# KiCad board Rogelio Pineda 2;12 AM-AMLDC-2044B.kicad_pcb
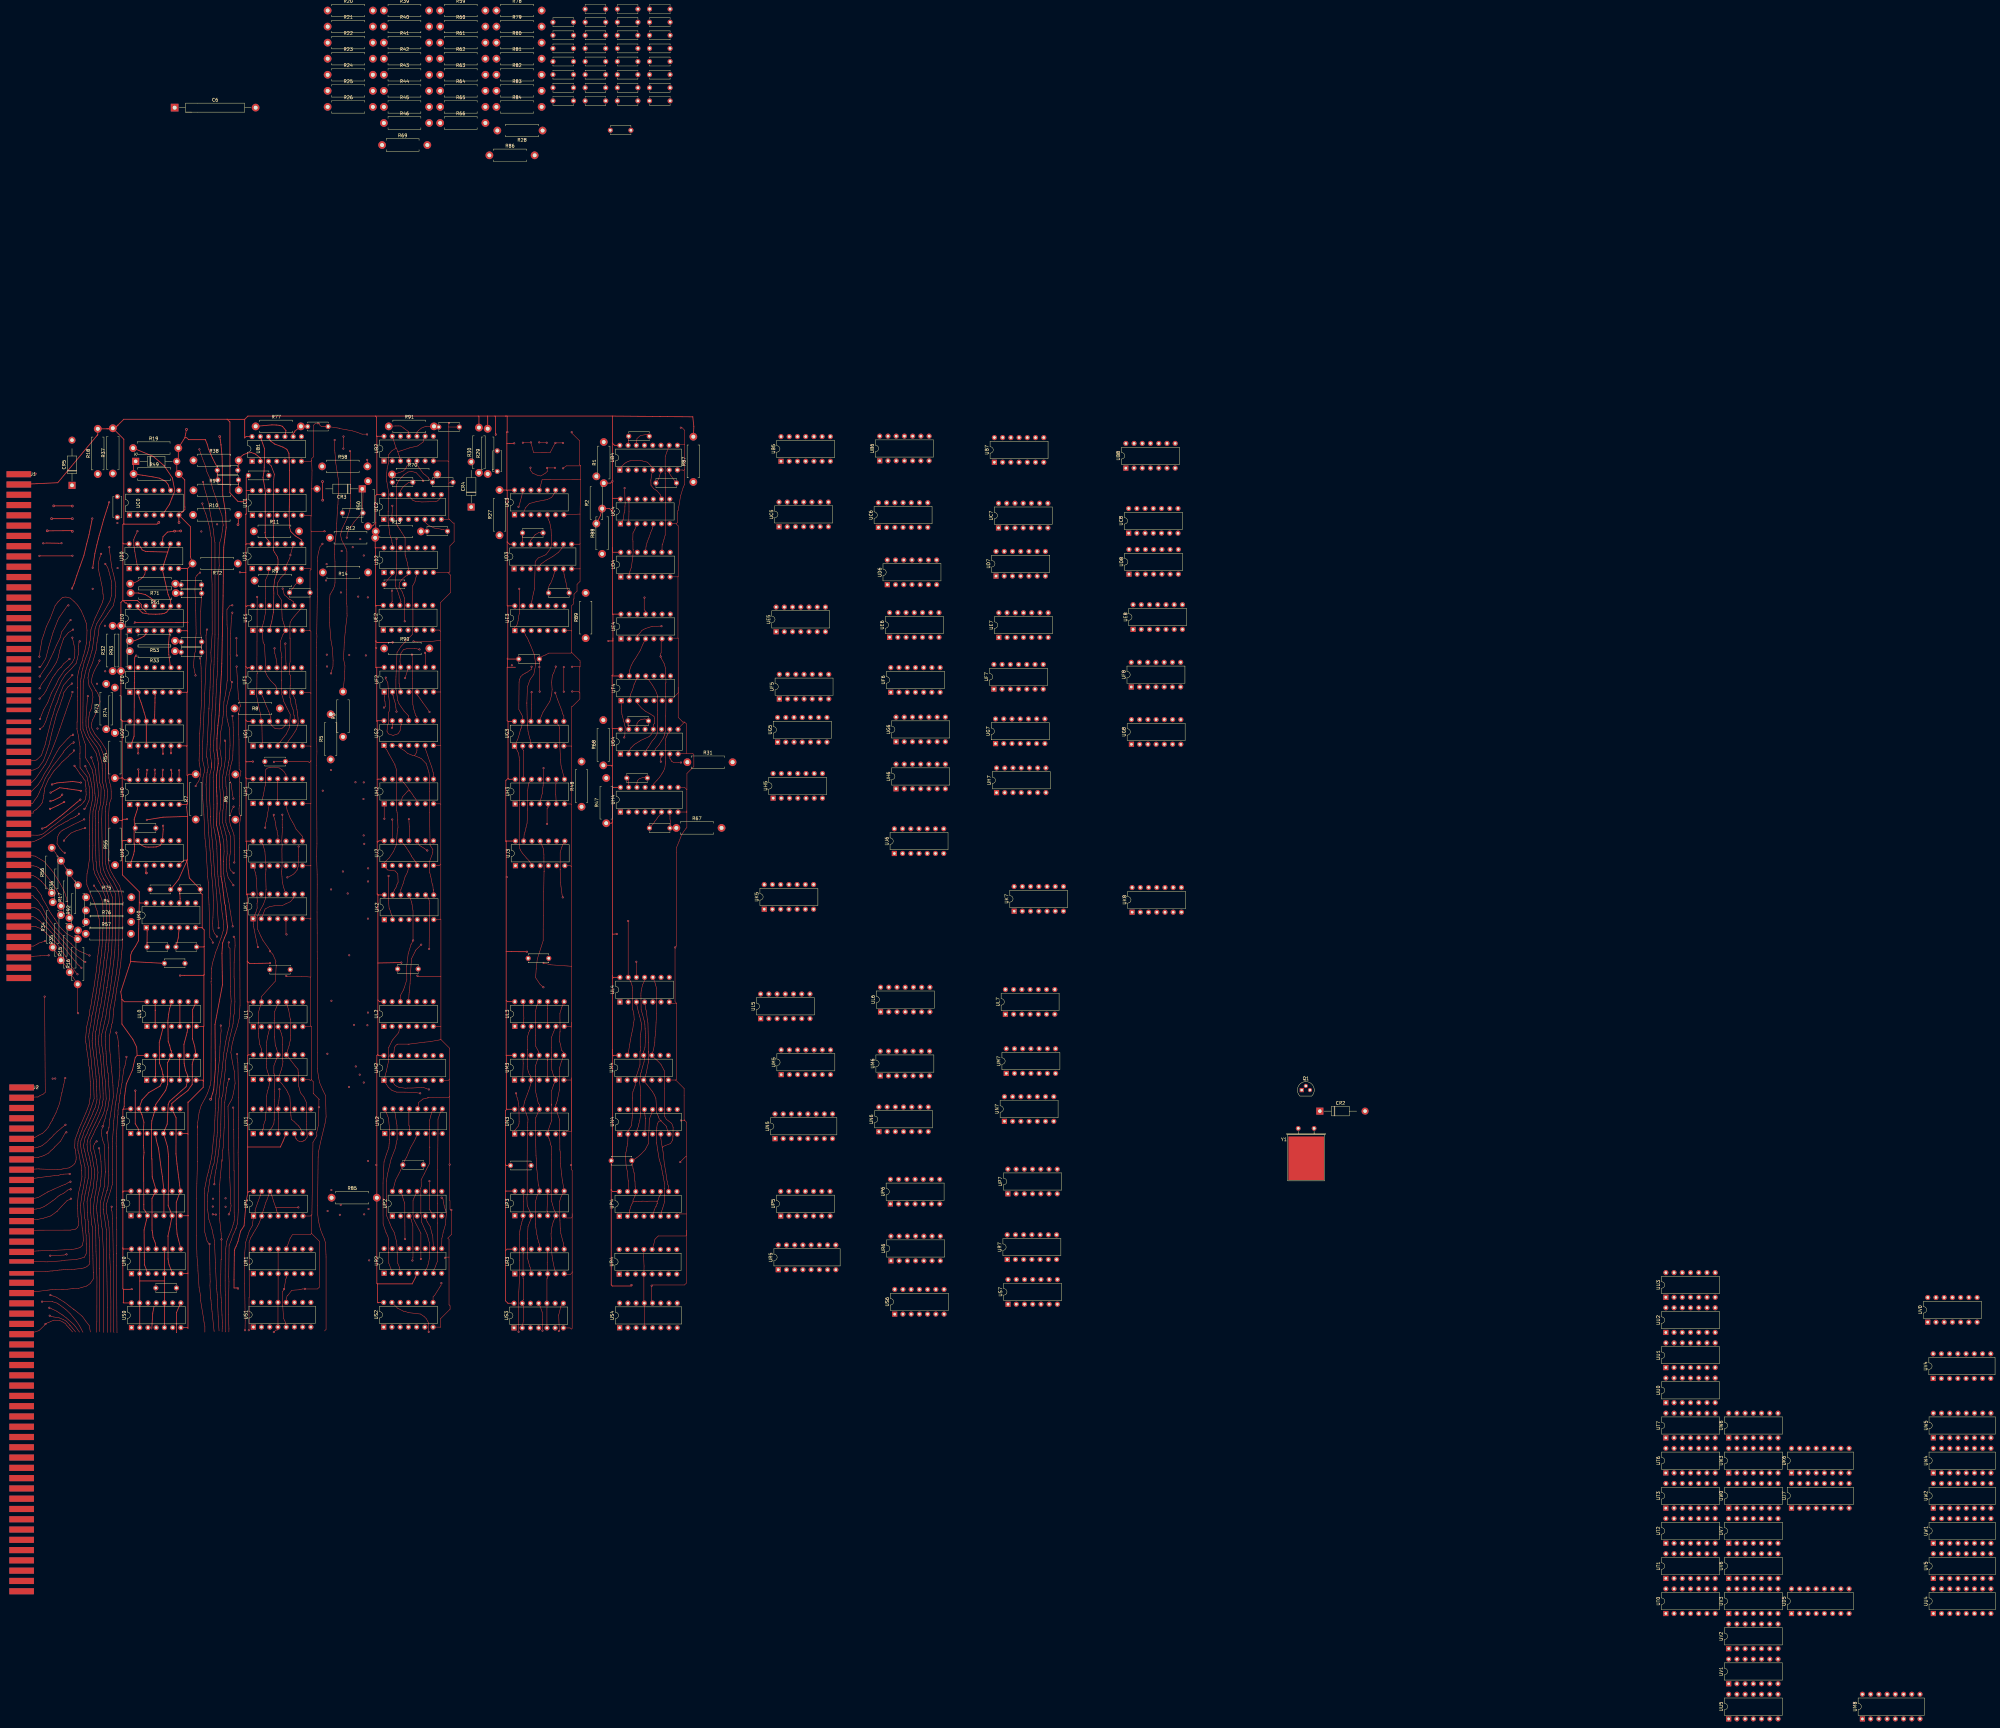
[diagram p0: board, top side]
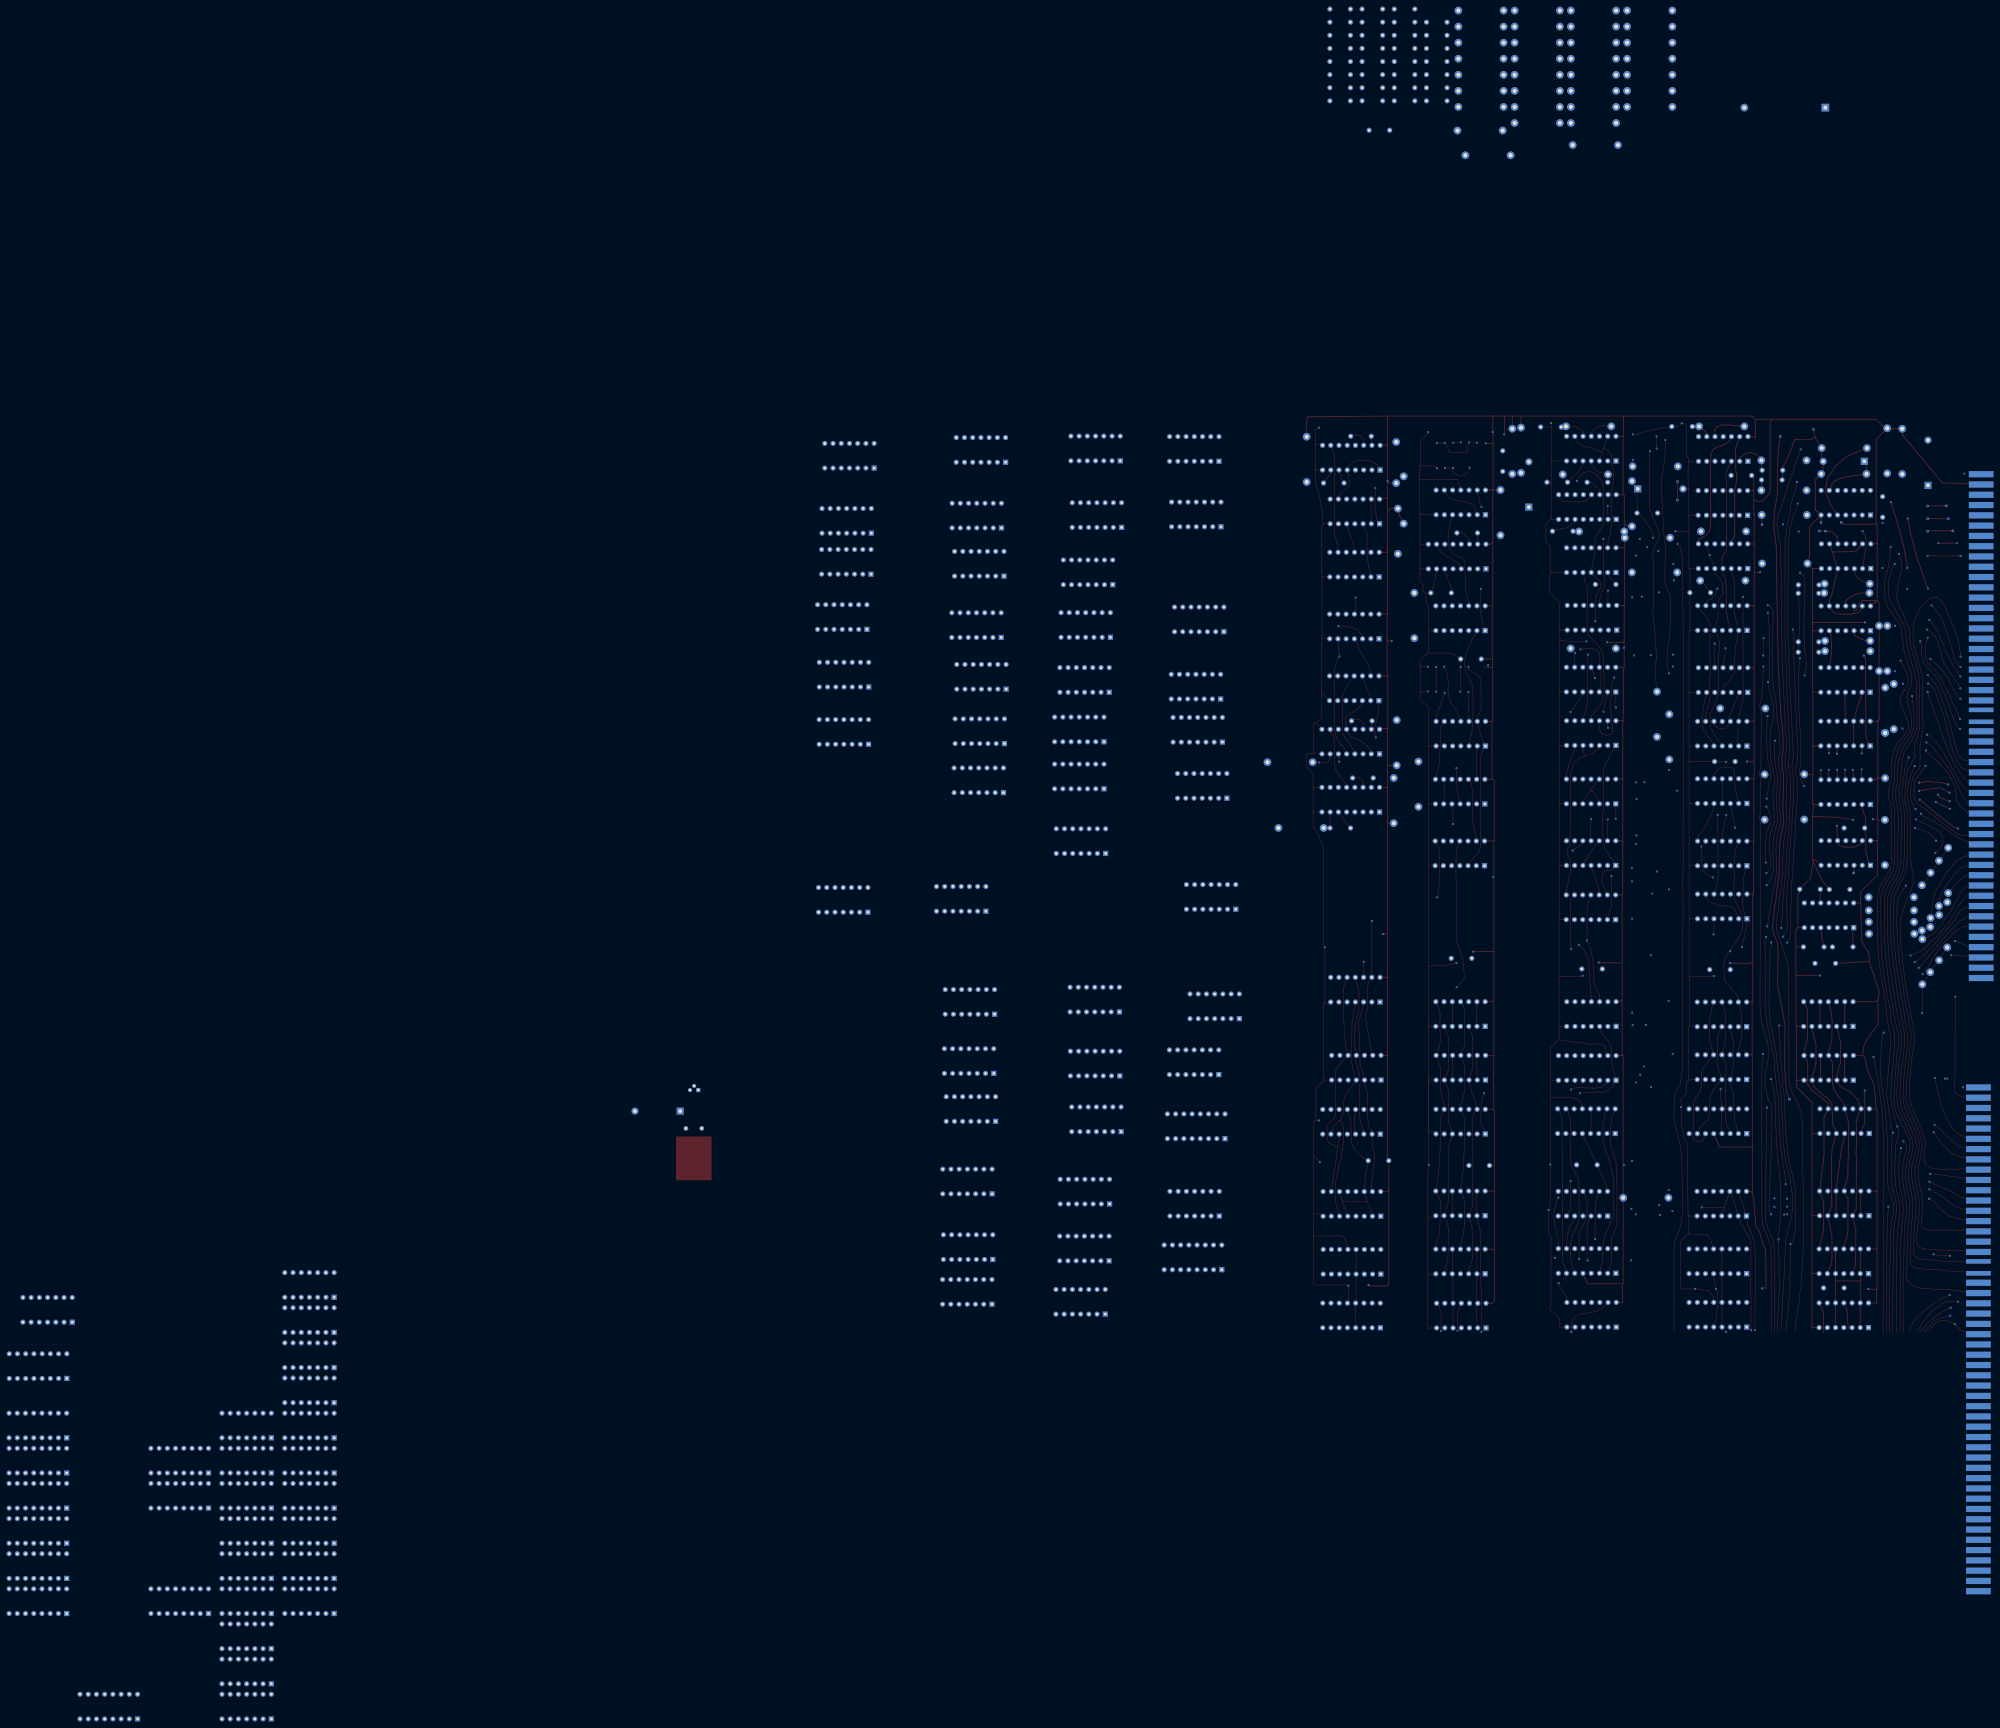
[diagram p1: board, bottom side, seen from below]

No outline. copper layers: Top, Bottom. Coordinates in mm from the lowest, leftmost part position.

## Placement (name value [footprint] x y rotation side)
C1  CAP_Disc_Common_-_Entrex_Trapezoid  [Disc Capacitor Common Entrex Trapezoid]  105.97 373.63 90 top
C2  CAP_Disc_Common_-_Entrex_Trapezoid  [Disc Capacitor Common Entrex Trapezoid]  243.23 524.17 0 top
C3  CAP_Disc_Common_-_Entrex_Trapezoid  [Disc Capacitor Common Entrex Trapezoid]  243.23 520.12 0 top
C4  CAP_Disc_Common_-_Entrex_Trapezoid  [Disc Capacitor Common Entrex Trapezoid]  243.23 516.07 0 top
C5  CAP_Disc_Common_-_Entrex_Trapezoid  [Disc Capacitor Common Entrex Trapezoid]  243.23 512.02 0 top
C6  CAP  [CAP non-polarized P25.00mm]  123.88 497.57 0 top
C7  CAP_Disc_Common_-_Entrex_Trapezoid  [Disc Capacitor Common Entrex Trapezoid]  243.23 507.97 0 top
C8  CAP_Disc_Common_-_Entrex_Trapezoid  [Disc Capacitor Common Entrex Trapezoid]  243.23 503.92 0 top
C9  CAP_Disc_Common_-_Entrex_Trapezoid  [Disc Capacitor Common Entrex Trapezoid]  243.23 499.87 0 top
C10  CAP_Disc_Common_-_Entrex_Trapezoid  [Disc Capacitor Common Entrex Trapezoid]  120.61 133.3 0 top
C11  CAP_Disc_Common_-_Entrex_Trapezoid  [Disc Capacitor Common Entrex Trapezoid]  273.01 275.32 0 top
C12  CAP_Disc_Common_-_Entrex_Trapezoid  [Disc Capacitor Common Entrex Trapezoid]  266.37 308.41 0 top
C13  CAP_Disc_Common_-_Entrex_Trapezoid  [Disc Capacitor Common Entrex Trapezoid]  206.02 382.11 0 top
C14  CAP_Disc_Common_-_Entrex_Trapezoid  [Disc Capacitor Common Entrex Trapezoid]  223.27 387.78 90 top
C15  CAP_Disc_Common_-_Entrex_Trapezoid  [Disc Capacitor Common Entrex Trapezoid]  204.32 366.98 0 top
C16  CAP_Disc_Common_-_Entrex_Trapezoid  [Disc Capacitor Common Entrex Trapezoid]  167.47 399.31 0 top
C17  CAP_Disc_Common_-_Entrex_Trapezoid  [Disc Capacitor Common Entrex Trapezoid]  253.17 528.22 0 top
C18  CAP_Disc_Common_-_Entrex_Trapezoid  [Disc Capacitor Common Entrex Trapezoid]  253.17 524.17 0 top
C19  CAP_Disc_Common_-_Entrex_Trapezoid  [Disc Capacitor Common Entrex Trapezoid]  253.17 520.12 0 top
C20  CAP_Disc_Common_-_Entrex_Trapezoid  [Disc Capacitor Common Entrex Trapezoid]  253.17 516.07 0 top
C21  CAP_Disc_Common_-_Entrex_Trapezoid  [Disc Capacitor Common Entrex Trapezoid]  253.17 512.02 0 top
C22  CAP_Disc_Common_-_Entrex_Trapezoid  [Disc Capacitor Common Entrex Trapezoid]  253.17 507.97 0 top
C23  CAP_Disc_Common_-_Entrex_Trapezoid  [Disc Capacitor Common Entrex Trapezoid]  253.17 503.92 0 top
C24  CAP_Disc_Common_-_Entrex_Trapezoid  [Disc Capacitor Common Entrex Trapezoid]  253.17 499.87 0 top
C25  CAP_Disc_Common_-_Entrex_Trapezoid  [Disc Capacitor Common Entrex Trapezoid]  233.82 366.46 0 top
C26  CAP_Disc_Common_-_Entrex_Trapezoid  [Disc Capacitor Common Entrex Trapezoid]  232.67 327.51 0 top
C27  CAP_Disc_Common_-_Entrex_Trapezoid  [Disc Capacitor Common Entrex Trapezoid]  241.9 347.93 0 top
C28  CAP_Disc_Common_-_Entrex_Trapezoid  [Disc Capacitor Common Entrex Trapezoid]  178.22 372.61 0 top
C29  CAP_Disc_Common_-_Entrex_Trapezoid  [Disc Capacitor Common Entrex Trapezoid]  193.62 382.11 0 top
C30  CAP_Disc_Common_-_Entrex_Trapezoid  [Disc Capacitor Common Entrex Trapezoid]  207.97 399.16 0 top
C31  CAP_Disc_Common_-_Entrex_Trapezoid  [Disc Capacitor Common Entrex Trapezoid]  139.77 382.81 0 top
C32  CAP_Disc_Common_-_Entrex_Trapezoid  [Disc Capacitor Common Entrex Trapezoid]  263.11 528.22 0 top
C33  CAP_Disc_Common_-_Entrex_Trapezoid  [Disc Capacitor Common Entrex Trapezoid]  263.11 524.17 0 top
C34  CAP_Disc_Common_-_Entrex_Trapezoid  [Disc Capacitor Common Entrex Trapezoid]  263.11 520.12 0 top
C35  CAP_Disc_Common_-_Entrex_Trapezoid  [Disc Capacitor Common Entrex Trapezoid]  263.11 516.07 0 top
C36  CAP_Disc_Common_-_Entrex_Trapezoid  [Disc Capacitor Common Entrex Trapezoid]  263.11 512.02 0 top
C37  CAP_Disc_Common_-_Entrex_Trapezoid  [Disc Capacitor Common Entrex Trapezoid]  263.11 507.97 0 top
C38  CAP_Disc_Common_-_Entrex_Trapezoid  [Disc Capacitor Common Entrex Trapezoid]  263.11 503.92 0 top
C39  CAP_Disc_Common_-_Entrex_Trapezoid  [Disc Capacitor Common Entrex Trapezoid]  263.11 499.87 0 top
C40  CAP_Disc_Common_-_Entrex_Trapezoid  [Disc Capacitor Common Entrex Trapezoid]  260.95 490.8 0 top
C41  CAP_Disc_Common_-_Entrex_Trapezoid  [Disc Capacitor Common Entrex Trapezoid]  266.62 396.31 0 top
C42  CAP_Disc_Common_-_Entrex_Trapezoid  [Disc Capacitor Common Entrex Trapezoid]  275.02 381.86 0 top
C43  CAP_Disc_Common_-_Entrex_Trapezoid  [Disc Capacitor Common Entrex Trapezoid]  161.87 348.01 0 top
C44  CAP_Disc_Common_-_Entrex_Trapezoid  [Disc Capacitor Common Entrex Trapezoid]  191.07 350.56 0 top
C45  CAP_Disc_Common_-_Entrex_Trapezoid  [Disc Capacitor Common Entrex Trapezoid]  139.57 385.81 0 top
C46  CAP_Disc_Common_-_Entrex_Trapezoid  [Disc Capacitor Common Entrex Trapezoid]  149.17 384.21 0 top
C47  CAP_Disc_Common_-_Entrex_Trapezoid  [Disc Capacitor Common Entrex Trapezoid]  273.05 528.22 0 top
C48  CAP_Disc_Common_-_Entrex_Trapezoid  [Disc Capacitor Common Entrex Trapezoid]  273.05 524.17 0 top
C49  CAP_Disc_Common_-_Entrex_Trapezoid  [Disc Capacitor Common Entrex Trapezoid]  273.05 520.12 0 top
C50  CAP_Disc_Common_-_Entrex_Trapezoid  [Disc Capacitor Common Entrex Trapezoid]  273.05 516.07 0 top
C51  CAP_Disc_Common_-_Entrex_Trapezoid  [Disc Capacitor Common Entrex Trapezoid]  273.05 512.02 0 top
C52  CAP_Disc_Common_-_Entrex_Trapezoid  [Disc Capacitor Common Entrex Trapezoid]  273.05 507.97 0 top
C53  CAP_Disc_Common_-_Entrex_Trapezoid  [Disc Capacitor Common Entrex Trapezoid]  273.05 503.92 0 top
C54  CAP_Disc_Common_-_Entrex_Trapezoid  [Disc Capacitor Common Entrex Trapezoid]  273.05 499.87 0 top
C55  CAP_Disc_Common_-_Entrex_Trapezoid  [Disc Capacitor Common Entrex Trapezoid]  261.22 172.61 0 top
C56  CAP_Disc_Common_-_Entrex_Trapezoid  [Disc Capacitor Common Entrex Trapezoid]  266.03 290.78 0 top
C57  CAP_Disc_Common_-_Entrex_Trapezoid  [Disc Capacitor Common Entrex Trapezoid]  117.87 238.61 0 top
C58  CAP_Disc_Common_-_Entrex_Trapezoid  [Disc Capacitor Common Entrex Trapezoid]  128.37 350.41 0 top
C59  CAP_Disc_Common_-_Entrex_Trapezoid  [Disc Capacitor Common Entrex Trapezoid]  128.42 347.81 0 top
C60  CAP_Disc_Common_-_Entrex_Trapezoid  [Disc Capacitor Common Entrex Trapezoid]  128.42 332.81 0 top
C61  CAP_Disc_Common_-_Entrex_Trapezoid  [Disc Capacitor Common Entrex Trapezoid]  128.42 329.63 0 top
C62  CAP_Disc_Common_-_Entrex_Trapezoid  [Disc Capacitor Common Entrex Trapezoid]  154.27 295.86 0 top
C63  CAP_Disc_Common_-_Entrex_Trapezoid  [Disc Capacitor Common Entrex Trapezoid]  114.26 275.32 0 top
C64  CAP_Disc_Common_-_Entrex_Trapezoid  [Disc Capacitor Common Entrex Trapezoid#2]  126.82 238.61 0 top
C65  CAP_Disc_Common_-_Entrex_Trapezoid  [Disc Capacitor Common Entrex Trapezoid]  123.25 233.53 0 top
C66  CAP_Disc_Common_-_Entrex_Trapezoid  [Disc Capacitor Common Entrex Trapezoid]  155.77 231.61 0 top
C67  CAP_Disc_Common_-_Entrex_Trapezoid  [Disc Capacitor Common Entrex Trapezoid]  195.27 231.81 0 top
C68  CAP_Disc_Common_-_Entrex_Trapezoid  [Disc Capacitor Common Entrex Trapezoid]  235.58 235.09 0 top
C69  CAP_Disc_Common_-_Entrex_Trapezoid  [Disc Capacitor Common Entrex Trapezoid]  196.87 171.31 0 top
C70  CAP_Disc_Common_-_Entrex_Trapezoid  [Disc Capacitor Common Entrex Trapezoid]  230.12 171.11 0 top
C71  CAP_Disc_Common_-_Entrex_Trapezoid  [Disc Capacitor Common Entrex Trapezoid]  118.82 256.36 0 top
C72  CAP_Disc_Common_-_Entrex_Trapezoid  [Disc Capacitor Common Entrex Trapezoid]  127.97 256.41 0 top
CR1  1N4001  [D_DO-41_SOD81_P12.70mm_Horizontal]  111.83 388.34 0 top
CR2  1N4001  [Diode for Entrex-AMLDC Board]  477.48 187.69 0 top
CR3  1N4001  [Diode for Entrex-AMLDC Board]  181.8 379.84 180 top
CR4  1N4001  [Diode for Entrex-AMLDC Board]  215.43 374.22 90 top
CR5  1N4001  [Diode for Entrex-AMLDC Board]  92.18 380.92 90 top
J1  Port A  [portA_NovaMod]  0 308.61 0 top
J2  Port B  [portB_NovaMod]  3.28 119.76 0 top
Q1  PNP MPS6533  [TO-92]  471.89 194.2 0 top
R1  ~  [R_Axial_DIN0411_L9.9mm_D3.6mm_P12.70mm_Horizontal]  256.37 381.62 90 top
R2  ~  [Resistor for Entrex-AMLDC Board#2]  254.09 369.11 90 top
R3  R_US  [Resistor for Entrex-AMLDC Board]  175.86 303.26 90 top
R4  ~  [Resistor for Entrex-AMLDC Board]  96.48 249.67 0 top
R5  R_US  [Resistor for Entrex-AMLDC Board]  172.05 296.28 90 top
R6  R_US  [Resistor for Entrex-AMLDC Board]  142.63 277.69 90 top
R7  R_US  [Resistor for Entrex-AMLDC Board]  130.38 277.74 90 top
R8  R_US  [Resistor for Entrex-AMLDC Board]  142.38 312.04 0 top
R9  R_US  [Resistor for Entrex-AMLDC Board]  148.55 351.52 0 top
R10  R_US  [Resistor for Entrex-AMLDC Board]  129.56 371.79 0 top
R11  R_US  [Resistor for Entrex-AMLDC Board]  148.33 366.74 0 top
R12  R_US  [Resistor for Entrex-AMLDC Board]  171.83 364.74 0 top
R13  R_US  [Resistor for Entrex-AMLDC Board]  185.96 366.69 0 top
R14  R_US  [Resistor for Entrex-AMLDC Board]  169.63 354.04 0 top
R15  R_US  [Resistor for Entrex-AMLDC Board]  91.48 230.59 90 top
R16  R_US  [Resistor for Entrex-AMLDC Board]  93.93 226.84 90 top
R17  R_US  [Resistor for Entrex-AMLDC Board]  91.38 247.34 90 top
R18  R_US  [Resistor for Entrex-AMLDC Board]  100.13 384.42 90 top
R19  R_US  [Resistor for Entrex-AMLDC Board]  111.03 392.44 0 top
R20  R_US  [Resistor for Entrex-AMLDC Board]  171.11 527.55 0 top
R21  R_US  [Resistor for Entrex-AMLDC Board]  171.11 522.59 0 top
R22  R_US  [Resistor for Entrex-AMLDC Board]  171.11 517.63 0 top
R23  R_US  [Resistor for Entrex-AMLDC Board]  171.11 512.67 0 top
R24  R_US  [Resistor for Entrex-AMLDC Board]  171.11 507.71 0 top
R25  R_US  [Resistor for Entrex-AMLDC Board]  171.11 502.75 0 top
R26  R_US  [Resistor for Entrex-AMLDC Board]  171.11 497.79 0 top
R27  R_US  [Resistor for Entrex-AMLDC Board]  224.18 365.52 90 top
R28  R_US  [Resistor for Entrex-AMLDC Board]  237.48 490.49 180 top
R29  R_US  [Resistor for Entrex-AMLDC Board]  220.53 384.44 90 top
R30  R_US  [Resistor for Entrex-AMLDC Board]  217.83 384.79 90 top
R31  R_US  [Resistor for Entrex-AMLDC Board]  282.18 295.44 0 top
R32  R_US  [Resistor for Entrex-AMLDC Board]  104.74 323.58 90 top
R33  R_US  [Resistor for Entrex-AMLDC Board]  123.98 329.74 180 top
R34  R_US  [Resistor for Entrex-AMLDC Board]  86.23 238.24 90 top
R35  R_US  [Resistor for Entrex-AMLDC Board]  88.73 234.27 90 top
R36  R_US  [Resistor for Entrex-AMLDC Board]  88.78 251.04 90 top
R37  R_US  [Resistor for Entrex-AMLDC Board]  104.78 384.59 90 top
R38  R_US  [Resistor for Entrex-AMLDC Board]  129.68 388.64 0 top
R39  R_US  [Resistor for Entrex-AMLDC Board]  188.48 527.55 0 top
R40  R_US  [Resistor for Entrex-AMLDC Board]  188.48 522.59 0 top
R41  R_US  [Resistor for Entrex-AMLDC Board]  188.48 517.63 0 top
R42  R_US  [Resistor for Entrex-AMLDC Board]  188.48 512.67 0 top
R43  R_US  [Resistor for Entrex-AMLDC Board]  188.48 507.71 0 top
R44  R_US  [Resistor for Entrex-AMLDC Board]  188.48 502.75 0 top
R45  R_US  [Resistor for Entrex-AMLDC Board]  188.48 497.79 0 top
R46  R_US  [Resistor for Entrex-AMLDC Board]  188.48 492.83 0 top
R47  R_US  [Resistor for Entrex-AMLDC Board]  257.14 276.59 90 top
R48  R_US  [Resistor for Entrex-AMLDC Board]  249.52 281.67 90 top
R49  R_US  [Resistor for Entrex-AMLDC Board]  111.18 384.44 0 top
R50  R_US  [Resistor for Entrex-AMLDC Board]  183.58 368.27 90 top
R51  R_US  [Resistor for Entrex-AMLDC Board]  124.23 347.69 180 top
R53  R_US  [Resistor for Entrex-AMLDC Board]  123.98 332.92 180 top
R54  R_US  [Resistor for Entrex-AMLDC Board]  105.41 290.52 90 top
R55  R_US  [Resistor for Entrex-AMLDC Board]  105.48 263.67 90 top
R56  R_US  [Resistor for Entrex-AMLDC Board]  85.93 255.04 90 top
R57  R_US  [Resistor for Entrex-AMLDC Board]  96.41 242.44 0 top
R58  R_US  [Resistor for Entrex-AMLDC Board]  169.41 386.79 0 top
R59  R_US  [Resistor for Entrex-AMLDC Board]  205.85 527.55 0 top
R60  R_US  [Resistor for Entrex-AMLDC Board]  205.85 522.59 0 top
R61  R_US  [Resistor for Entrex-AMLDC Board]  205.85 517.63 0 top
R62  R_US  [Resistor for Entrex-AMLDC Board]  205.85 512.67 0 top
R63  R_US  [Resistor for Entrex-AMLDC Board]  205.85 507.71 0 top
R64  R_US  [Resistor for Entrex-AMLDC Board]  205.85 502.75 0 top
R65  R_US  [Resistor for Entrex-AMLDC Board]  205.85 497.79 0 top
R66  R_US  [Resistor for Entrex-AMLDC Board]  205.85 492.83 0 top
R67  R_US  [Resistor for Entrex-AMLDC Board]  278.78 275.14 0 top
R68  R_US  [Resistor for Entrex-AMLDC Board]  256.23 294.47 90 top
R69  R_US  [Resistor for Entrex-AMLDC Board]  187.92 486.02 0 top
R70  R_US  [Resistor for Entrex-AMLDC Board]  191 384.29 0 top
R71  R_US  [Resistor for Entrex-AMLDC Board]  124.1 350.54 180 top
R72  R_US  [Resistor for Entrex-AMLDC Board]  143.38 356.79 180 top
R73  R_US  [Resistor for Entrex-AMLDC Board]  102.73 305.64 90 top
R74  R_US  [Resistor for Entrex-AMLDC Board]  105.41 304.49 90 top
R75  R_US  [Resistor for Entrex-AMLDC Board]  96.53 253.73 0 top
R76  R_US  [Resistor for Entrex-AMLDC Board]  96.48 246.11 0 top
R77  R_US  [Resistor for Entrex-AMLDC Board]  148.88 399.14 0 top
R78  R_US  [Resistor for Entrex-AMLDC Board]  223.22 527.55 0 top
R79  R_US  [Resistor for Entrex-AMLDC Board]  223.22 522.59 0 top
R80  R_US  [Resistor for Entrex-AMLDC Board]  223.22 517.63 0 top
R81  R_US  [Resistor for Entrex-AMLDC Board]  223.22 512.67 0 top
R82  R_US  [Resistor for Entrex-AMLDC Board]  223.22 507.71 0 top
R83  R_US  [Resistor for Entrex-AMLDC Board]  223.22 502.75 0 top
R84  R_US  [Resistor for Entrex-AMLDC Board]  223.22 497.79 0 top
R85  R_US  [Resistor for Entrex-AMLDC Board]  172.33 160.94 0 top
R86  R_US  [Resistor for Entrex-AMLDC Board]  221.06 482.85 0 top
R87  R_US  [Resistor for Entrex-AMLDC Board]  284.03 381.97 90 top
R88  R_US  [Resistor for Entrex-AMLDC Board]  255.87 359.78 90 top
R89  R_US  [Resistor for Entrex-AMLDC Board]  250.79 333.74 90 top
R90  R_US  [Resistor for Entrex-AMLDC Board]  188.56 330.57 0 top
R91  R_US  [Resistor for Entrex-AMLDC Board]  189.98 399.14 0 top
R92  R_US  [Resistor for Entrex-AMLDC Board]  94.03 243.47 90 top
R93  R_US  [Resistor for Entrex-AMLDC Board]  107.28 323.58 90 top
R94  R_US  [Resistor for Entrex-AMLDC Board]  129.68 379.39 0 top
UB1  74LS37  [DIP-14_W7.62mm]  147.78 388.36 90 top
UB2  74LS10  [DIP-14_W7.62mm]  188.53 388.46 90 top
UB4  74LS123  [DIP-16_W7.62mm]  261.34 385.67 90 top
UB5  74LS02  [DIP-14_W7.62mm]  311.11 388.36 90 top
UB6  74LS38  [DIP-14_W7.62mm]  341.59 388.51 90 top
UB7  74LS32  [DIP-14_W7.62mm]  376.99 388.06 90 top
UB8  74LS93  [DIP-14_W7.62mm]  417.58 386.26 90 top
UC0  74LS04  [DIP-14_W7.62mm]  109.94 371.75 90 top
UC1  74LS00  [DIP-14_W7.62mm]  147.89 371.69 90 top
UC2  74LS123  [DIP-16_W7.62mm]  188.44 370.43 90 top
UC3  74LS74  [DIP-14_W7.62mm]  228.82 371.84 90 top
UC4  74LS00  [DIP-14_W7.62mm]  261.53 369.06 90 top
UC5  74LS02  [DIP-14_W7.62mm]  310.5 368.14 90 top
UC6  74LS74  [DIP-14_W7.62mm]  341.18 367.94 90 top
UC7  74LS74  [DIP-14_W7.62mm]  378.27 367.78 90 top
UC8  74LS00  [DIP-14_W7.62mm]  418.45 366.16 90 top
UD0  74LS10  [DIP-14_W7.62mm#4]  109.84 355.23 90 top
UD1  74LS10  [DIP-14_W7.62mm]  147.84 355.24 90 top
UD2  74LS10  [DIP-14_W7.62mm]  188.53 354.02 90 top
UD3  74LS123  [DIP-16_W7.62mm]  228.68 355.14 90 top
UD4  74LS74  [DIP-14_W7.62mm]  261.63 352.64 90 top
UD5  74LS123  [DIP-16_W7.62mm]  623.13 32.55 90 top
UD6  74LS10  [DIP-14_W7.62mm]  343.92 350.26 90 top
UD7  74LS74  [DIP-14_W7.62mm]  377.5 352.9 90 top
UD8  74LS74  [DIP-14_W7.62mm]  418.55 353.5 90 top
UE0  74LS10  [DIP-14_W7.62mm]  109.94 336.04 90 top
UE1  74LS74  [DIP-14_W7.62mm]  148.04 336.14 90 top
UE2  74LS74  [DIP-14_W7.62mm]  188.32 336.24 90 top
UE3  74LS74  [DIP-14_W7.62mm]  228.91 336.09 90 top
UE4  74LS02  [DIP-14_W7.62mm]  261.68 333.54 90 top
UE5  74LS08  [DIP-14_W7.62mm]  309.59 335.72 90 top
UE6  74LS00  [DIP-14_W7.62mm]  344.64 334 90 top
UE7  7425  [DIP-14_W7.62mm]  378.37 333.96 90 top
UE8  74LS08  [DIP-14_W7.62mm]  419.82 336.45 90 top
UF0  74LS04  [DIP-14_W7.62mm]  110.04 317.04 90 top
UF1  74LS14  [DIP-14_W7.62mm]  147.84 316.99 90 top
UF2  74LS06  [DIP-14_W7.62mm]  188.58 317.13 90 top
UF4  74LS74  [DIP-14_W7.62mm]  261.73 314.45 90 top
UF5  74LS74  [DIP-14_W7.62mm]  310.6 314.96 90 top
UF6  74LS00  [DIP-14_W7.62mm]  345 317.03 90 top
UF7  74LS74  [DIP-14_W7.62mm]  376.84 318.01 90 top
UF8  74LS20  [DIP-14_W7.62mm]  419.27 318.66 90 top
UG0  74LS30  [DIP-14_W7.62mm]  110.04 300.48 90 top
UG1  74LS38  [DIP-14_W7.62mm]  148.09 300.43 90 top
UG2  74LS02  [DIP-14_W7.62mm]  188.53 300.62 90 top
UG3  74LS86  [DIP-14_W7.62mm]  228.81 300.43 90 top
UG4  74LS123  [DIP-16_W7.62mm]  261.53 297.98 90 top
UG5  74LS74  [DIP-14_W7.62mm]  310.05 301.64 90 top
UG6  74LS32  [DIP-14_W7.62mm]  346.62 301.75 90 top
UG7  74LS00  [DIP-14_W7.62mm]  377.35 301.19 90 top
UG8  74LS02  [DIP-14_W7.62mm]  419.32 300.98 90 top
UH0  74LS04  [DIP-14_W7.62mm]  109.99 282.38 90 top
UH1  74LS00  [DIP-14_W7.62mm]  148.09 282.7 90 top
UH2  74LS00  [DIP-14_W7.62mm]  188.58 282.59 90 top
UH3  74LS00  [DIP-14_W7.62mm]  229.01 282.55 90 top
UH4  74LS123  [DIP-16_W7.62mm]  261.53 280.05 90 top
UH5  74LS74  [DIP-14_W7.62mm]  308.67 284.32 90 top
UH6  74LS00  [DIP-14_W7.62mm]  346.62 287.22 90 top
UH7  74LS74  [DIP-14_W7.62mm]  377.66 286.04 90 top
UJ0  74LS38  [DIP-14_W7.62mm]  109.94 263.6 90 top
UJ1  74LS74  [DIP-14_W7.62mm]  148.09 263.45 90 top
UJ2  74LS74  [DIP-14_W7.62mm]  188.58 263.55 90 top
UJ3  74LS10  [DIP-14_W7.62mm]  229.12 263.48 90 top
UJ6  74LS10  [DIP-14_W7.62mm]  346.11 267.26 90 top
UJ7  74LS123  [DIP-16_W7.62mm]  623.13 65.1 90 top
UK0  74LS08  [DIP-14_W7.62mm]  115.12 244.35 90 top
UK1  74LS74  [DIP-14_W7.62mm#2]  148.09 247.09 90 top
UK2  74LS00  [DIP-14_W7.62mm]  188.63 246.82 90 top
UK5  74LS07  [DIP-14_W7.62mm]  305.93 250.03 90 top
UK6  74LS123  [DIP-16_W7.62mm]  623.13 75.95 90 top
UK7  74LS00  [DIP-14_W7.62mm]  383.09 249.43 90 top
UK8  74LS02  [DIP-14_W7.62mm]  419.51 249.12 90 top
UL0  74LS38  [DIP-14_W7.62mm]  115.33 213.86 90 top
UL1  74LS197  [DIP-14_W7.62mm]  148.19 213.76 90 top
UL2  74LS37  [DIP-14_W7.62mm]  188.48 213.86 90 top
UL3  74LS38  [DIP-14_W7.62mm]  228.91 213.87 90 top
UL4  74LS197  [DIP-14_W7.62mm]  261.37 221.38 90 top
UL5  74LS21  [DIP-14_W7.62mm]  304.81 216.24 90 top
UL6  74LS32  [DIP-14_W7.62mm]  341.85 218.33 90 top
UL7  74LS74  [DIP-14_W7.62mm]  380.4 217.61 90 top
UM0  74LS38  [DIP-14_W7.62mm#3]  115.22 197.25 90 top
UM1  74LS197  [DIP-14_W7.62mm]  148.19 197.46 90 top
UM2  74LS165  [DIP-16_W7.62mm]  188.5 197.2 90 top
UM3  74LS38  [DIP-14_W7.62mm]  228.82 197.29 90 top
UM4  74LS197  [DIP-14_W7.62mm]  261.07 197.29 90 top
UM5  74LS00  [DIP-14_W7.62mm]  311.16 198.97 90 top
UM6  74LS02  [DIP-14_W7.62mm]  341.74 198.57 90 top
UM7  74LS74  [DIP-14_W7.62mm]  380.65 199.34 90 top
UM8  74LS76  [DIP-16_W7.62mm]  645.03 0 90 top